# Altium PCB Virtex.PcbDoc (part 1 of 2) (continued)
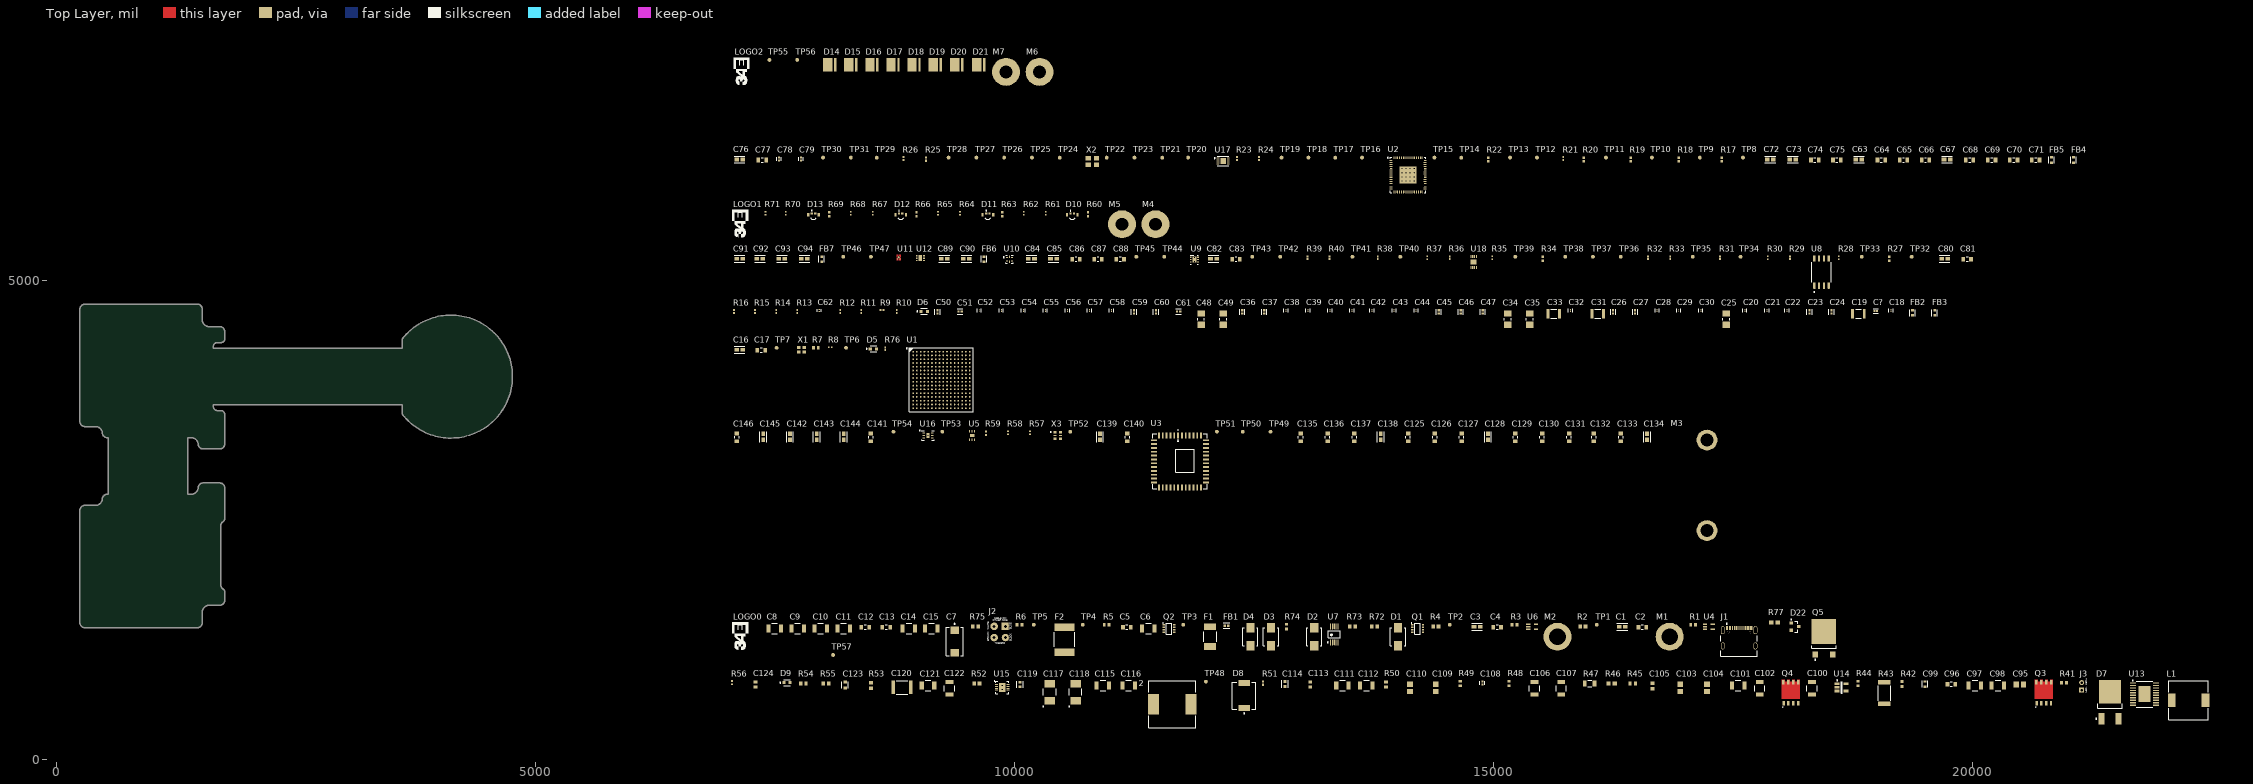
[diagram p0: Top Layer view]
## Components (designator, comment, footprint, x,y, rotation, side; value= is the part's Value field where it differs from the comment) (continued)
R12 "4.7k" RESC1005X40X25LL05T05 8180,4680 r90 top
R13 "4.7k" RESC1005X40X25LL05T05 7730,4680 r90 top
R14 "4.7k" RESC1005X40X25LL05T05 7510,4680 r90 top
R15 "4.7k" RESC1005X40X25LL05T05 7290,4680 r90 top
R16 "4.7k" RESC1005X40X25LL05T05 7070,4680 r90 top
R17 "100" RESC1005X40X25ML05T10 17380,6265 r90 top
R18 "100" RESC1005X40X25ML05T10 16930,6265 r90 top
R19 "100" RESC1005X40X25ML05T10 16430,6265 r90 top
R20 "100" RESC1005X40X25ML05T10 15940,6265 r90 top
R21 "10k" RESC1005X40X25LL05T05 15725,6275 r90 top
R22 "12k 1%" RESC1005X40X25ML05T05 14940,6265 r90 top
R23 "10k" RESC1005X40X25LL05T05 12320,6275 r90 top
R24 "10k" RESC1005X40X25LL05T05 12550,6275 r90 top
R25 "2.2k 1%" RESC1005X40X25NL05T10 9075,6270 r90 top
R26 "10k 1%" RESC1005X40X25LL05T05 8840,6275 r90 top
R27 "4.7k" RESC1005X40X25ML05T05 19125,5230 r90 top
R28 "1.8k" RESC1005X40X25LL05T05 18600,5240 r90 top
R29 "100" RESC0603X26X15ML03T05 18090,5240 r90 top
R30 "1.8k" RESC1005X40X25LL05T05 17860,5240 r90 top
R31 "100" RESC0603X26X15ML03T05 17360,5240 r90 top
R32 "100" RESC0603X26X15ML03T05 16610,5240 r90 top
R33 "100" RESC0603X26X15ML03T05 16840,5240 r90 top
R34 "4.7k" RESC1005X40X25ML05T05 15510,5230 r90 top
R35 "1.8k" RESC1005X40X25LL05T05 14985,5240 r90 top
R36 "100" RESC0603X26X15ML03T05 14540,5240 r90 top
R37 "1.8k" RESC1005X40X25LL05T05 14305,5240 r90 top
R38 "100" RESC0603X26X15ML03T05 13790,5240 r90 top
R39 "100" RESC0603X26X15ML03T05 13055,5240 r90 top
R40 "100" RESC0603X26X15ML03T05 13285,5240 r90 top
R41 "39k 1%" RESC1608X55X30NL15T15#1 20950,806.22 r0 top
R42 "10k 1%" RESC1609X55X30LL15T15 19260,791.22 r90 top
R43 "0.04 1% 2W" FP-CSRN2512-IPC_C 19075,696.22 r90 top
R44 "8.25k 1%" RESC1608X55X30LL15T15 18800,796.22 r90 top
R45 "30k 1%" RESC1608X55X30ML15T15#1 16450,796.22 r0 top
R46 "120k 1%" RESC1609X55X30ML15T15 16230,796.22 r0 top
R47 "0.1 1% 0.5W" FP-CSR1206-IPC_C 16000,796.22 r0 top
R48 "11k 1%" RESC1608X55X30LL15T15 15160,796.22 r90 top
R49 "11k 1%" RESC1608X55X30LL15T15 14650,796.22 r90 top
R50 "499 1%" RESC1608X55X30NL15T15#1 13875,786.22 r90 top
R51 "5.1k" RESC1005X40X25NL05T10 12590,801.22 r90 top
R52 "110" RESC1608X55X30ML20T20 9605,796.22 r0 top
R53 "4.7k 1%" RESC1608X55X30NL15T15#2 8500,776.22 r90 top
R54 "4.3k 1%" RESC1609X50X30ML10T20 7795,796.22 r0 top
R55 "1.05k 1%" RESC1608X55X30ML15T15#1 8030,796.22 r0 top
R56 "220" RESC1005X40X25LL05T05 7050,806.22 r90 top
R57 "40.2k" RESC1005X40X25LL05T05 10160,3415 r90 top
R58 "100 1%" RESC1005X40X25LL05T05 9930,3415 r90 top
R59 "47k 1%" RESC1005X40X25NL05T05 9700,3410 r90 top
R60 "68" RESC1005X40X25ML05T05 10765,5695 r90 top
R61 "15" RESC1005X40X25LL05T05 10325,5705 r90 top
R62 "15" RESC1005X40X25LL05T05 10095,5705 r90 top
R63 "68" RESC1005X40X25ML05T05 9870,5695 r90 top
R64 "15" RESC1005X40X25LL05T05 9430,5705 r90 top
R65 "15" RESC1005X40X25LL05T05 9200,5705 r90 top
R66 "68" RESC1005X40X25ML05T05 8975,5695 r90 top
R67 "15" RESC1005X40X25LL05T05 8520,5705 r90 top
R68 "15" RESC1005X40X25LL05T05 8290,5705 r90 top
R69 "68" RESC1005X40X25ML05T05 8065,5695 r90 top
R70 "15" RESC1005X40X25LL05T05 7610,5705 r90 top
R71 "15" RESC1005X40X25LL05T05 7400,5705 r90 top
R72 "48.7k" RESC1608X55X30ML15T15#1 13755,1390 r0 top
R73 "21.5k" RESC1608X55X30ML15T15#1 13525,1390 r0 top
R74 "140k" RESC1608X55X30LL15T15 12835,1390 r90 top
R75 "14k" RESC1608X55X30ML15T15#1 9590,1390 r0 top
R76 "1k" RESC0603X26X15ML03T05 8650,4290 r90 top
R77 "47k" RESC1608X55X30ML15T15#2 17930,1435 r0 top
TP1 "RDA" TestPoint1mm 16075,1410 r90 top
TP2 "RCL" TestPoint1mm 14540,1410 r90 top
TP3 "USB" TestPoint1mm 11760,1410 r90 top
TP4 "12ON" TestPoint1mm 10710,1410 r90 top
TP5 "12V" TestPoint1mm 10200,1410 r90 top
TP6 "LIR" TestPoint1mm 8240,4300 r90 top
TP7 "ACL" TestPoint1mm 7515,4300 r90 top
TP8 "TCK" TestPoint1mm 17600,6285 r90 top
TP9 "TDI" TestPoint1mm 17150,6285 r90 top
TP10 "TDO" TestPoint1mm 16650,6285 r90 top
TP11 "TMS" TestPoint1mm 16170,6285 r90 top
TP12 "BD0" TestPoint1mm 15450,6285 r90 top
TP13 "BD1" TestPoint1mm 15170,6285 r90 top
TP14 "BD2" TestPoint1mm 14660,6285 r90 top
TP15 "BD3" TestPoint1mm 14380,6285 r90 top
TP16 "BD4" TestPoint1mm 13625,6285 r90 top
TP17 "BD5" TestPoint1mm 13345,6285 r90 top
TP18 "BD6" TestPoint1mm 13065,6285 r90 top
TP19 "BD7" TestPoint1mm 12785,6285 r90 top
TP20 "BC0" TestPoint1mm 11810,6285 r90 top
TP21 "BC1" TestPoint1mm 11540,6285 r90 top
TP22 "UOI" TestPoint1mm 10960,6285 r90 top
TP23 "BC2" TestPoint1mm 11250,6285 r90 top
TP24 "BC3" TestPoint1mm 10470,6285 r90 top
TP25 "BC4" TestPoint1mm 10180,6285 r90 top
TP26 "BC5" TestPoint1mm 9890,6285 r90 top
TP27 "BC6" TestPoint1mm 9600,6285 r90 top
TP28 "UON" TestPoint1mm 9310,6285 r90 top
TP29 "UOO" TestPoint1mm 8560,6285 r90 top
TP30 "SUS" TestPoint1mm 8000,6285 r90 top
TP31 "PEN" TestPoint1mm 8290,6285 r90 top
TP32 "FCS" TestPoint1mm 19360,5250 r90 top
TP33 "FS3" TestPoint1mm 18840,5250 r90 top
TP34 "FS1" TestPoint1mm 17575,5250 r90 top
TP35 "FCL" TestPoint1mm 17075,5250 r90 top
TP36 "FS2" TestPoint1mm 16325,5250 r90 top
TP37 "FS0" TestPoint1mm 16035,5250 r90 top
TP38 "CCS" TestPoint1mm 15745,5250 r90 top
TP39 "CHL" TestPoint1mm 15225,5250 r90 top
TP40 "FIO" TestPoint1mm 14025,5250 r90 top
TP41 "CCL" TestPoint1mm 13525,5250 r90 top
TP42 "FWP" TestPoint1mm 12770,5250 r90 top
TP43 "COI" TestPoint1mm 12480,5250 r90 top
TP44 "1V" TestPoint1mm 11560,5250 r90 top
TP45 "1.25V" TestPoint1mm 11270,5250 r90 top
TP46 "2.5V" TestPoint1mm 8210,5250 r90 top
TP47 "1.8V" TestPoint1mm 8500,5250 r90 top
TP48 "3.3V" TestPoint1mm 11995,816.22 r90 top
TP49 "CAM_MOSI" TestPoint1mm 12670,3425 r90 top
TP50 "CAM_MISO" TestPoint1mm 12380,3425 r90 top
TP51 "CAM_SCLK" TestPoint1mm 12110,3425 r90 top
TP52 "CAM_CS" TestPoint1mm 10580,3425 r90 top
TP53 "C18" TestPoint1mm 9245,3425 r90 top
TP54 "CPX" TestPoint1mm 8735,3425 r90 top
TP55 "LED+" TestPoint1mm 7440,7305 r90 top
TP56 "LED-" TestPoint1mm 7730,7305 r90 top
TP57 "VCC" TestPoint1mm 8105,1095 r90 top
U1 "XC7A35T-1FTG256C" FTG256 9235,3965 r0 top
U2 "FT2232HQ-Tray" QFN64_2_N 14105,6105 r0 top
U3 "NOIP1FN0300A-QDI" NOIP1FN0300A-QDI 11725,3115 r0 top
U4 "MAX9940AXK+T" MAX9940AXK+T 17245,1390 r0 top
U5 "LP5900SD-1.8/NOPB" LP5900-WSON 9555,3385 r0 top
U6 "MAX9940AXK+T" MAX9940AXK+T 15400,1390 r0 top
U7 "LTC4416EMS#PBF" LT-MS-10_N 13335,1310 r90 top
U8 "MX25V1635FM2I" MX25V1635FM2I 18420,5090 r90 top
U9 "TLV75710PDRVR" TLV75710PDRVR 11875,5220 r0 top
U10 "REF3312AIRSER" FP-RSE0008A-MFG 9945,5225 r0 top
U11 "LP590725QDQNRQ1" LP5907 8790,5245 r90 top
U12 "LP5910-1.8DRVR" LP5910 9015,5235 r0 top
U13 "MAX16834AUP/V+T" MAX16834AUPV+T 21790,686.22 r0 top
U14 "LP2985AIM5-3.6/NOPB" MF05A_M 18630,756.22 r0 top
U15 "L5987TR" VFQFPN8_M 9870,756.22 r0 top
U16 "LP5900SD-3.3/NOPB" NGF0006A_V 9095,3385 r0 top
U17 "AT93C46DY6-YH-T" FP-C04-21355-Q4B-IPC_C 12175,6250 r0 top
U18 "AT93C46DY6-YH-E" AT93C46DY6-YH-E 14790,5195 r0 top
X1 "ASDMB-100.000MHZ-XY-T" ASTMHTA-100.000MHZ-AJ-E-T 7775,4280 r0 top
X2 "ABM8G-12.000MHZ-4Y-T3" ABM8G-12.000MHZ-4Y-T3 10810,6245 r0 top
X3 "DSC1103DI5-360.0000" DSC1103DI5-360.0000 10450,3385 r0 top

## Footprints (in the part's own frame and the unit in brackets; to place one, negate y for a bottom-side part, rotate by r counter-clockwise, add the part's x,y. Pads: shape width x height; smd on the part's side, far side on the other; paste and mask are expansions set on the pad)
34EngineeringLogo [mil]
  silkscreen extent 13,13 299,179
9774070960R [mm]
  round 7.4 hole 4.4 unplated: 1(0,0)
  body extent -3,-3 3,3, height 7
ABM8G-12.000MHZ-4Y-T3 [mil]
  rect 55x47 smd: 1(-43.5,-33.5) 2(43.5,-33.5) 3(43.5,33.5) 4(-43.5,33.5)
  body extent -63,-49 63,49, height 39
ASTMHTA-100.000MHZ-AJ-E-T [mm]
  rect 0.9x0.8 smd: 1(-0.75,-0.6) 2(0.75,-0.6) 3(0.75,0.6) 4(-0.75,0.6)
  body extent -1,-0.8 1,0.8, height 0.75
AT93C46DY6-YH-E [mm]
  rect 0.3x0.85 smd: 1(-0.75,-1.45) 2(-0.25,-1.45) 3(0.25,-1.45) 4(0.75,-1.45) 5(0.75,1.45) 6(0.25,1.45) 7(-0.25,1.45) 8(-0.75,1.45)
  rect 1.6x1.4 smd: 9(0,0)
  body extent -1,-1.5 1,1.5, height 0.6
BWIR-35C2O48 [mm]
  rect 2.45x3.5 smd paste+0: A(-0.525,0)
  rect 0.625x3.5 smd paste+0: C(1.438,0)
  body extent -1.75,-1.75 1.75,1.75, height 2
CAPC1608X90X35ML10T15 [mm] "Chip Capacitor, 2-Leads, Body 1.7x0.9mm, IPC Low Density"
  rect 0.95x1.05 smd: 1(-0.725,0) 2(0.725,0)
  body extent -0.85,-0.45 0.85,0.45, height 0.9
CAPC1608X90X35NL10T15 [mm] "Chip Capacitor, 2-Leads, Body 1.60x0.80mm, IPC Medium Density"
  rect 0.85x0.95 smd: 1(-0.675,0) 2(0.675,0)
  body extent -0.85,-0.45 0.85,0.45, height 0.9
CAPC2013X135X45ML10T25 [mm] "Chip Capacitor, 2-Leads, Body 2.10x1.35mm, IPC Low Density"
  rect 1.4x1.5 smd: 1(-0.95,0) 2(0.95,0)
  body extent -1.05,-0.67 1.05,0.67, height 1.35
CAPC3216X190X55ML30T25 [mm] "Chip Capacitor, 2-Leads, Body 3.5x1.9mm, IPC Low Density"
  rect 1.65x2 smd: 1(-1.475,0) 2(1.475,0)
  silkscreen extent -0.25,-0.9 0.25,0.9, body extent -1.75,-0.95 1.75,0.95, height 1.9
CAPMP6032X28-T_V [mm] "Molded Capacitor, 2-Leads, Body 6.20x3.4mm"
  rect 2x2.8 smd: 1(-2.25,0) 2(2.25,0)
  silkscreen extent -3.92,-1.7 0.85,1.82, body extent -3.32,-1.7 3.32,1.7, height 2.8
DSC1103DI5-360.0000 [mm]
  rect 0.85x0.65 smd: 1(-0.725,0.825) 3(-0.725,-0.825) 4(0.725,-0.825) 6(0.725,0.825)
  rect 0.85x0.25 smd: 2(-0.725,0) 5(0.725,0)
  silkscreen extent -1.95,0.8 -1.75,1, body extent -1,-1.25 1,1.25, height 0.88
FAIR-DO-214AA-A-2_V [mm] "Molded Diode, 2-Leads, Body 4.75x3.95mm"
  rect 2.5x2.2 smd: 1(-2.35,0) 2(2.35,0)
  silkscreen extent -2.4,-2 2.4,2, body extent -2.59,-1.97 2.6,1.98, height 2.65
FP-1812L035-30DR-MFG [mm]
  rect 1.78x3.15 smd paste+0 mask+0: 1(-2.615,0) 2(2.615,0)
  silkscreen extent -1.35,-1.71 1.35,1.71, body extent -3.6,-1.81 3.6,1.81, height 0.25
FP-2920L-MFG [mm]
  rect 2x5.3 smd paste+0 mask+0: 1(-3.3,0) 2(3.3,0)
  silkscreen extent -1.92,-2.72 1.92,2.72, body extent -4.4,-2.82 4.4,2.82, height 0.25
FP-BLM15-0_05-IPC_A [mil]
  rect 28.16x26.48 smd paste+0 mask+0: 1(-18.84,0) 2(18.84,0)
  silkscreen extent -33,-29 33,29, body extent -41,-21 41,21, height 10
FP-BLM18-0_15-t0_8-MFG [mm]
  rect 0.65x0.7 smd paste+0 mask+0: 1(-0.675,0) 2(0.675,0)
  silkscreen extent -0.87,-0.72 0.87,0.72, body extent -1.1,-0.58 1.1,0.58, height 0.25
FP-C04-21355-Q4B-IPC_C [mm]
  rect 0.761x0.239 smd paste+0 mask+0: 1(-1.376,0.75)
  rrect100% 0.761x0.239 smd paste+0 mask+0: 2(-1.376,0.25) 3(-1.376,-0.25) 4(-1.376,-0.75) 5(1.376,-0.75) 6(1.376,-0.25) 7(1.376,0.25) 8(1.376,0.75)
  rect 1.4x1.6 smd paste-1000 mask+0: 9(0,0)
  silkscreen extent -2.37,-1.3 1.5,1.3, body extent -1.86,-1.1 1.86,1.1, height 0.25
FP-C0402-BB-MFG [mm]
  rect 0.52x0.52 smd paste+0 mask+0: 1(-0.4,0) 2(0.4,0)
  silkscreen extent -0.5,-0.64 0.5,0.64, body extent -0.8,-0.4 0.8,0.4, height 0.25
FP-C0603C-CF-MFG [mm]
  rect 0.75x0.9 smd paste+0 mask+0: 1(-0.6,0) 2(0.6,0)
  silkscreen extent -0.87,-0.85 0.88,0.85, body extent -1.2,-0.6 1.2,0.6, height 0.25
FP-C3225-250-0_4-MFG [mm]
  rect 1.1x2.2 smd paste+0 mask+0: 1(-1.65,0) 2(1.65,0)
  silkscreen extent -0.72,-1.4 0.72,1.4, body extent -2.3,-1.5 2.3,1.5, height 0.25
FP-C4532-250-0_4-IPC_B [mm]
  rect 0.953x3.603 smd paste+0 mask+0: 1(-2.325,0) 2(2.325,0)
  silkscreen extent -1.55,-1.8 1.55,1.8, body extent -3.05,-2.05 3.05,2.05, height 0.25
FP-CC0201-BA-MFG [mm]
  rect 0.28x0.3 smd paste+0 mask+0: 1(-0.265,0) 2(0.265,0)
  silkscreen extent -0.32,-0.53 0.32,0.53, body extent -0.51,-0.27 0.51,0.27, height 0.25
FP-CC0603-DA-MFG [mm]
  rect 0.8x0.9 smd paste+0 mask+0: 1(-0.75,0) 2(0.75,0)
  silkscreen extent -0.85,-0.85 0.85,0.85, body extent -1.35,-0.75 1.35,0.75, height 0.25
FP-CGA3E-0_3-0_1-IPC_A [mm]
  rect 0.956x1.206 smd paste+0 mask+0: 1(-1.025,0) 2(1.025,0)
  silkscreen extent -0.25,-0.6 0.25,0.6, body extent -2,-1.1 2,1.1, height 0.25
FP-CSR1206-IPC_C [mil]
  rect 37.63x63.32 smd paste+0 mask+0: 1(-50.25,0) 2(50.25,0)
  silkscreen extent -20,-33 20,33, body extent -73,-37 73,37, height 10
FP-CSRN2512-IPC_C [mil]
  rect 45.46x126.31 smd paste+0 mask+0: 1(-112.24,0) 2(112.24,0)
  silkscreen extent -78,-65 78,65, body extent -139,-69 139,69, height 10
FP-GCM188-0_1-MFG [mm]
  rect 0.65x0.7 smd paste+0 mask+0: 1(-0.675,0) 2(0.675,0)
  silkscreen extent -0.85,-0.75 0.85,0.75, body extent -1.1,-0.55 1.1,0.55, height 0.25
FP-GRM32-MFG [mm]
  rect 1.1x2.05 smd paste+0 mask+0: 1(-1.65,0) 2(1.65,0)
  silkscreen extent -0.72,-1.35 0.72,1.35, body extent -2.3,-1.45 2.3,1.45, height 0.25
FP-GRM033-0_03-IPC_A [mil]
  rect 21.82x18.22 smd paste+0 mask+0: 1(-13.95,0) 2(13.95,0)
  silkscreen extent -25,-25 25,25, body extent -33,-17 33,17, height 10
FP-GRM033-0_03-IPC_C [mil]
  rect 13.94x10.34 smd paste+0 mask+0: 1(-10.01,0) 2(10.01,0)
  silkscreen extent -17,-22 17,22, body extent -21,-10 21,10, height 10
FP-GRM155-0_1-IPC_B [mil]
  rect 24.23x22.54 smd paste+0 mask+0: 1(-16.87,0) 2(16.87,0)
  silkscreen extent -29,-27 29,27, body extent -35,-17 35,17, height 10
FP-GRM188-0_1-e0_2_0_5-IPC_C [mil]
  rect 29.87x31.97 smd paste+0 mask+0: 1(-24.67,0) 2(24.67,0)
  silkscreen extent -40,-33 40,33, body extent -44,-22 44,22, height 10
FP-GRM188-0_1-e0_2_0_55-IPC_A [mil]
  rect 47.57x39.85 smd paste+0 mask+0: 1(-31.57,0) 2(31.57,0)
  silkscreen extent -55,-36 55,36, body extent -75,-40 75,40, height 10
FP-RSE0008A-MFG [mm]
  rrect40% 0.55x0.25 smd paste+0 mask+0: 1(-0.675,0.5) 3(-0.675,-0.5) 5(0.675,-0.5) 7(0.675,0.5)
  rrect50% 0.55x0.2 smd paste+0 mask+0: 2(-0.675,0) 6(0.675,0)
  rrect33% 0.3x0.6 smd paste+0 mask+0: 4(0,-0.65) 8(0,0.65)
  silkscreen extent -1.62,-1.02 1.02,1.02, body extent -1.05,-1.05 1.05,1.05, height 0.25
FP-SML-D12-MFG [mm]
  rect 0.8x0.8 smd paste+0 mask+0: 1(-0.825,0) 2(0.825,0)
  silkscreen extent -1.92,-0.79 0.85,0.77, body extent -1.33,-0.55 1.33,0.55, height 0.25
FP-STPS5L60S-MFG [mm]
  rect 1.54x3.14 smd paste+0 mask+0: 1(-3.325,0) 2(3.325,0)
  silkscreen extent -4.82,-3.13 3.57,3.13, body extent -4.2,-3.22 4.2,3.22, height 0.25
FP-T491X107K025AT-MFG [mm]
  rect 1.99x2.33 smd paste+0 mask+0: 1(-3.01,0) 2(3.01,0)
  silkscreen extent -3.8,-2.3 4.92,2.3, body extent -4.11,-2.4 4.11,2.4, height 0.25
FP-USB4105-GF-A-MFG [mm]
  rrect100% 1x2.1 hole 1.7 slot 0.6 at 0 deg paste-1000 mask+0: 1(-4.32,3.015) 2(4.32,3.015)
  rrect100% 1x1.8 hole 1.4 slot 0.6 at 0 deg paste-1000 mask+0: 3(-4.32,-1.165) 4(4.32,-1.165)
  rect 0.6x1.15 smd paste+0 mask+0: A1-B12(-3.2,3.59) A4-B9(-2.4,3.59) B1-A12(3.2,3.59) B4-A9(2.4,3.59)
  rect 0.3x1.15 smd paste+0 mask+0: A5(-1.25,3.59) A6(-0.25,3.59) A7(0.25,3.59) A8(1.25,3.59) B5(1.75,3.59) B6(0.75,3.59) B7(-0.75,3.59) B8(-1.75,3.59)
  round 0.65 hole 0.65 unplated paste-1000 mask+0: ""(-2.89,2.515) ""(2.89,2.515)
  silkscreen extent -4.86,-3.84 4.86,4.84, body extent -4.96,-3.94 4.96,4.27, height 0.25
FTG256 [mm] "BGA, 256-Balls, Body 17x17mm, Pitch 1mm"
  round 0.45 smd: A1(-7.5,7.5) A2(-6.5,7.5) A3(-5.5,7.5) A4(-4.5,7.5) A5(-3.5,7.5) A6(-2.5,7.5) A7(-1.5,7.5) A8(-0.5,7.5) A9(0.5,7.5) A10(1.5,7.5) A11(2.5,7.5) A12(3.5,7.5) A13(4.5,7.5) A14(5.5,7.5) A15(6.5,7.5) A16(7.5,7.5) B1(-7.5,6.5) B2(-6.5,6.5) B3(-5.5,6.5) B4(-4.5,6.5) B5(-3.5,6.5) B6(-2.5,6.5) B7(-1.5,6.5) B8(-0.5,6.5) B9(0.5,6.5) B10(1.5,6.5) B11(2.5,6.5) B12(3.5,6.5) B13(4.5,6.5) B14(5.5,6.5) B15(6.5,6.5) B16(7.5,6.5) C1(-7.5,5.5) C2(-6.5,5.5) C3(-5.5,5.5) C4(-4.5,5.5) C5(-3.5,5.5) C6(-2.5,5.5) C7(-1.5,5.5) C8(-0.5,5.5) C9(0.5,5.5) C10(1.5,5.5) C11(2.5,5.5) C12(3.5,5.5) C13(4.5,5.5) C14(5.5,5.5) C15(6.5,5.5) C16(7.5,5.5) D1(-7.5,4.5) D2(-6.5,4.5) D3(-5.5,4.5) D4(-4.5,4.5) D5(-3.5,4.5) D6(-2.5,4.5) D7(-1.5,4.5) D8(-0.5,4.5) D9(0.5,4.5) D10(1.5,4.5) D11(2.5,4.5) D12(3.5,4.5) D13(4.5,4.5) D14(5.5,4.5) D15(6.5,4.5) D16(7.5,4.5) E1(-7.5,3.5) E2(-6.5,3.5) E3(-5.5,3.5) E4(-4.5,3.5) E5(-3.5,3.5) E6(-2.5,3.5) E7(-1.5,3.5) E8(-0.5,3.5) E9(0.5,3.5) E10(1.5,3.5) E11(2.5,3.5) E12(3.5,3.5) E13(4.5,3.5) E14(5.5,3.5) E15(6.5,3.5) E16(7.5,3.5) F1(-7.5,2.5) F2(-6.5,2.5) F3(-5.5,2.5) F4(-4.5,2.5) F5(-3.5,2.5) F6(-2.5,2.5) F7(-1.5,2.5) F8(-0.5,2.5) F9(0.5,2.5) F10(1.5,2.5) F11(2.5,2.5) F12(3.5,2.5) F13(4.5,2.5) F14(5.5,2.5) F15(6.5,2.5) F16(7.5,2.5) G1(-7.5,1.5) G2(-6.5,1.5) G3(-5.5,1.5) G4(-4.5,1.5) G5(-3.5,1.5) G6(-2.5,1.5) G7(-1.5,1.5) G8(-0.5,1.5) G9(0.5,1.5) G10(1.5,1.5) G11(2.5,1.5) G12(3.5,1.5) G13(4.5,1.5) G14(5.5,1.5) G15(6.5,1.5) G16(7.5,1.5) H1(-7.5,0.5) H2(-6.5,0.5) H3(-5.5,0.5) H4(-4.5,0.5) H5(-3.5,0.5) H6(-2.5,0.5) H7(-1.5,0.5) H8(-0.5,0.5) H9(0.5,0.5) H10(1.5,0.5) H11(2.5,0.5) H12(3.5,0.5) H13(4.5,0.5) H14(5.5,0.5) H15(6.5,0.5) H16(7.5,0.5) J1(-7.5,-0.5) J2(-6.5,-0.5) J3(-5.5,-0.5) J4(-4.5,-0.5) J5(-3.5,-0.5) J6(-2.5,-0.5) J7(-1.5,-0.5) J8(-0.5,-0.5) J9(0.5,-0.5) J10(1.5,-0.5) J11(2.5,-0.5) J12(3.5,-0.5) J13(4.5,-0.5) J14(5.5,-0.5) J15(6.5,-0.5) J16(7.5,-0.5) K1(-7.5,-1.5) K2(-6.5,-1.5) K3(-5.5,-1.5) K4(-4.5,-1.5) K5(-3.5,-1.5) K6(-2.5,-1.5) K7(-1.5,-1.5) K8(-0.5,-1.5) K9(0.5,-1.5) K10(1.5,-1.5) K11(2.5,-1.5) K12(3.5,-1.5) K13(4.5,-1.5) K14(5.5,-1.5) K15(6.5,-1.5) K16(7.5,-1.5) L1(-7.5,-2.5) L2(-6.5,-2.5) L3(-5.5,-2.5) L4(-4.5,-2.5) L5(-3.5,-2.5) L6(-2.5,-2.5) L7(-1.5,-2.5) L8(-0.5,-2.5) L9(0.5,-2.5) L10(1.5,-2.5) L11(2.5,-2.5) L12(3.5,-2.5) L13(4.5,-2.5) L14(5.5,-2.5) L15(6.5,-2.5) L16(7.5,-2.5) M1(-7.5,-3.5) M2(-6.5,-3.5) M3(-5.5,-3.5) M4(-4.5,-3.5) M5(-3.5,-3.5) M6(-2.5,-3.5) M7(-1.5,-3.5) M8(-0.5,-3.5) M9(0.5,-3.5) M10(1.5,-3.5) M11(2.5,-3.5) M12(3.5,-3.5) M13(4.5,-3.5) M14(5.5,-3.5) M15(6.5,-3.5) M16(7.5,-3.5) N1(-7.5,-4.5) N2(-6.5,-4.5) N3(-5.5,-4.5) N4(-4.5,-4.5) N5(-3.5,-4.5) N6(-2.5,-4.5) N7(-1.5,-4.5) N8(-0.5,-4.5) N9(0.5,-4.5) N10(1.5,-4.5) N11(2.5,-4.5) N12(3.5,-4.5) N13(4.5,-4.5) N14(5.5,-4.5) N15(6.5,-4.5) N16(7.5,-4.5) P1(-7.5,-5.5) P2(-6.5,-5.5) P3(-5.5,-5.5) P4(-4.5,-5.5) P5(-3.5,-5.5) P6(-2.5,-5.5) P7(-1.5,-5.5) P8(-0.5,-5.5) P9(0.5,-5.5) P10(1.5,-5.5) P11(2.5,-5.5) P12(3.5,-5.5) P13(4.5,-5.5) P14(5.5,-5.5) P15(6.5,-5.5) P16(7.5,-5.5) R1(-7.5,-6.5) R2(-6.5,-6.5) R3(-5.5,-6.5) R4(-4.5,-6.5) R5(-3.5,-6.5) R6(-2.5,-6.5) R7(-1.5,-6.5) R8(-0.5,-6.5) R9(0.5,-6.5) R10(1.5,-6.5) R11(2.5,-6.5) R12(3.5,-6.5) R13(4.5,-6.5) R14(5.5,-6.5) R15(6.5,-6.5) R16(7.5,-6.5) T1(-7.5,-7.5) T2(-6.5,-7.5) T3(-5.5,-7.5) T4(-4.5,-7.5) T5(-3.5,-7.5) T6(-2.5,-7.5) T7(-1.5,-7.5) T8(-0.5,-7.5) T9(0.5,-7.5) T10(1.5,-7.5) T11(2.5,-7.5) T12(3.5,-7.5) T13(4.5,-7.5) T14(5.5,-7.5) T15(6.5,-7.5) T16(7.5,-7.5)
  silkscreen extent -9.27,-8.5 8.5,8.5, body extent -8.5,-8.5 8.5,8.5, height 1.55
IN-S126TASRGB [mm]
  rect 0.6x0.55 smd: 1(-0.45,0.325) 2(0.45,0.325)
  rect 0.6x0.9 smd: 3(-1.4,0) 4(1.4,0)
  silkscreen extent -0.78,-1.25 0.78,1.15, body extent -1.6,-1.24 1.6,0.25, height 1
INF-PG-TDSON-8-1_V [mm] "TDSON, 8-Leads, Body 6.15x5.15mm, Pitch 1.27mm"
  rect 0.65x1.2 smd: 1(-1.905,-2.825) 2(-0.635,-2.825) 3(0.635,-2.825) 4(1.905,-2.825) 5(2.007,2.794) 6(0.66,2.794) 7(-0.66,2.794) 8(-2.007,2.794)
  Top Layer region: 0.315,2.925 1.015,2.925 1.015,3.425 0.315,3.425
  Top Layer region: -1.015,2.925 -0.315,2.925 -0.315,3.425 -1.015,3.425
  Top Layer region: 1.65,2.925 2.35,2.925 2.35,3.425 1.65,3.425
  Top Layer region: -2.35,2.925 -1.65,2.925 -1.65,3.425 -2.35,3.425
  Top Layer region: -2.35,2.925 -2.35,-1.575 2.35,-1.575 2.35,2.925
  silkscreen extent -2.23,-3.94 -2.03,-3.74, body extent -2.58,-3.08 2.58,3.08, height 1
"Lapp 7038890" [mm]
  round 2 hole 0.8: 1(1.5,-1.5) 2(-1.5,1.5) 3(-1.5,-1.5)
  rect 2x2 hole 0.8: 4(1.5,1.5)
LEDDriverOutput [mm]
  round 1.3 hole 0.65: 1(0,0)
  rect 1.3x1.3 hole 0.65: 2(0,-2)
LENS_MNT [mm]
  round 5.5 hole 3.4: 1(0,-12) 1(0,12)
  body extent -9.84,-14.4 10.16,14.6, height 21.99
LP5900-WSON [mm]
  rrect0% 0.25x0.6 smd: 1(-0.65,1.15) 3(0.65,1.15) 4(0.65,-1.15) 6(-0.65,-1.15) ""(0,-1.15) ""(0,1.15)
  rrect0% 1.2x0.75 smd: 7(0,0)
  body extent -1.09,-1.25 1.11,1.25, height 0.8
LP5907 [mil]
  rect 5x5 smd: 1(-16.93,12.8) 2(-16.93,-12.8) 3(16.93,-12.8) 4(16.93,12.8)
  rect 19x19 smd rot 45 paste-9.5 mask+0: 5(0,0)
  Top Layer region: -4.93,-17.8 -4.93,-18.8 -28.93,-18.8 -28.93,-6.8 -16.93,-6.8
  Top Layer region: 0,9.5 0,9.5 0,9.5 0,9.5 0,9.5 0,9.5 0,9.5 0,9.5
  Top Layer region: 0,-9.5 0,-9.5 0,-9.5 0,-9.5 0,-9.5 0,-9.5 0,-9.5 0,-9.5
  Top Layer region: 4.93,-17.8 4.93,-18.8 28.93,-18.8 28.93,-6.8 16.93,-6.8
  Top Layer region: 4.93,17.8 4.93,18.8 28.93,18.8 28.93,6.8 16.93,6.8
  Top Layer region: -4.93,17.8 -4.93,18.8 -28.93,18.8 -28.93,6.8 -16.93,6.8
  body extent -20,-20 20,20, height 14
LP5910 [mm]
  rect 0.45x0.3 smd: 1(-0.975,0.65) 2(-0.975,0) 3(-0.975,-0.65) 4(0.975,-0.65) 5(0.975,0) 6(0.975,0.65)
  rect 1x1.6 smd: 7(0,0)
  body extent -1,-1 1,1, height 0.8
LT-MS-10_N [mm] "SOP, 10-Leads, Body 3.1x3.1mm, Pitch 0.5mm, IPC Medium Density"
  oval 1.6x0.3 smd: 1(-2.125,1) 2(-2.125,0.5) 3(-2.125,0) 4(-2.125,-0.5) 5(-2.125,-1) 6(2.125,-1) 7(2.125,-0.5) 8(2.125,0) 9(2.125,0.5) 10(2.125,1)
  silkscreen extent -2.25,-1.55 0.92,1.82, body extent -1.55,-1.55 1.55,1.55, height 1.1
MAX9940AXK+T [mm]
  rect 1.15x0.35 smd paste+0 mask+0: 1(-1.025,0.65) 2(-1.025,0) 3(-1.025,-0.65) 4(1.025,-0.65) 5(1.025,0.65)
  body extent -1.19,-1.1 1.19,1.11, height 1.09
MAX16834AUPV+T [mil]
  rect 61.5x14 smd paste+0 mask+0: 1(-119.25,115.16) 2(-119.25,89.57) 3(-119.25,63.98) 4(-119.25,38.39) 5(-119.25,12.8) 6(-119.25,-12.8) 7(-119.25,-38.39) 8(-119.25,-63.98) 9(-119.25,-89.57) 10(-119.25,-115.16) 11(119.25,-115.16) 12(119.25,-89.57) 13(119.25,-63.98) 14(119.25,-38.39) 15(119.25,-12.8) 16(119.25,12.8) 17(119.25,38.39) 18(119.25,63.98) 19(119.25,89.57) 20(119.25,115.16)
  rect 122x165 smd paste-82 mask+0: 21(0,0)
  silkscreen extent -125,-135 86,146, body extent -128,-130 128,130, height 43
MF05A_M [mm] "SOT23, 5-Leads, Body 2.9x1.6mm, Pitch 0.95mm, Lead Span 2.8mm, IPC Low Density"
  rect 1.3x0.7 smd: 1(-1.2,0.95) 2(-1.2,0) 3(-1.2,-0.95) 4(1.2,-0.95) 5(1.2,0.95)
  silkscreen extent -1.32,-1.5 0.15,1.97, body extent -0.83,-1.49 0.83,1.5, height 1.19
"MNT M3" [mm]
  round 7.4 hole 3.4 unplated: 1(0,0)
MURA-1210_H_2.7_L [mm] "Chip Capacitor, 2-Leads, Body 3.5x2.7mm, IPC High Density"
  rect 0.75x2.6 smd: 1(-1.525,0) 2(1.525,0)
  silkscreen extent -0.75,-1.2 0.75,1.2, body extent -1.75,-1.35 1.75,1.35, height 2.7
MX25V1635FM2I [mm]
  rrect25% 1.65x0.58 smd: 1(-3.585,1.905) 2(-3.585,0.635) 3(-3.585,-0.635) 4(-3.585,-1.905) 5(3.585,-1.905) 6(3.585,-0.635) 7(3.585,0.635) 8(3.585,1.905)
  silkscreen extent -5.33,-2.62 2.65,2.62, body extent -3.9,-2.64 3.95,2.64, height 1.95
NGF0006A_V [mm] "SON, 6-Leads, Body 2.2x2.5mm, Pitch 0.65mm, NSC Recommended (SC-70 Land)"
  rrect40% 0.6x0.25 smd paste-0.125 mask+0.051: 1(-1.15,0.65) 2(-1.15,0) 3(-1.15,-0.65) 4(1.15,-0.65) 5(1.15,0) 6(1.15,0.65)
  rrect13% 0.75x1.2 smd paste-0.6 mask+0.051: 7(0,0)
  silkscreen extent -2.27,-1.3 1.6,1.45, body extent -1.3,-1.15 1.3,1.15, height 0.8
NOIP1FN0300A-QDI [mm]
  rrect12% 0.47x1.63 smd: 1(-0.508,6.905) 2(-1.524,6.905) 3(-2.54,6.905) 4(-3.556,6.905) 5(-4.572,6.905) 6(-5.588,6.905) 19(-5.588,-6.905) 20(-4.572,-6.905) 21(-3.556,-6.905) 22(-2.54,-6.905) 23(-1.524,-6.905) 24(-0.508,-6.905) 25(0.508,-6.905) 26(1.524,-6.905) 27(2.54,-6.905) 28(3.556,-6.905) 29(4.572,-6.905) 30(5.588,-6.905) 43(5.588,6.905) 44(4.572,6.905) 45(3.556,6.905) 46(2.54,6.905) 47(1.524,6.905) 48(0.508,6.905)
  rrect12% 1.63x0.47 smd: 7(-6.905,5.588) 8(-6.905,4.572) 9(-6.905,3.556) 10(-6.905,2.54) 11(-6.905,1.524) 12(-6.905,0.508) 13(-6.905,-0.508) 14(-6.905,-1.524) 15(-6.905,-2.54) 16(-6.905,-3.556) 17(-6.905,-4.572) 18(-6.905,-5.588) 31(6.905,-5.588) 32(6.905,-4.572) 33(6.905,-3.556) 34(6.905,-2.54) 35(6.905,-1.524) 36(6.905,-0.508) 37(6.905,0.508) 38(6.905,1.524) 39(6.905,2.54) 40(6.905,3.556) 41(6.905,4.572) 42(6.905,5.588)
  silkscreen extent -7.26,-7.26 7.26,8.41, body extent -7.11,-7.11 7.11,7.11, height 2.32
ONSC-ATPAK-3-369AM_V [mm] "DPAK, 3-Leads, Body 7.3x6.5mm, Pitch 2.3mm"
  rect 1.6x1.5 smd: 1(-6.15,2.3) 3(-6.15,-2.3)
  rect 6.7x6.5 smd: 4(0,0)
  silkscreen extent -7.62,-3.25 -3.75,3.25, body extent -4.45,-3.25 2.85,3.25, height 1.77
ONSC-DPAK-3-369C-01_V [mm] "DPAK, 3-Leads, Body 6.54x6.095mm, Pitch 2.29mm"
  rect 3x1.6 smd: 1(-4.4,2.29) 3(-4.4,-2.29)
  rect 6.2x5.8 smd: 4(2.8,0)
  silkscreen extent -4.52,-3.27 -0.45,3.76, body extent -1.6,-3.27 4.49,3.27, height 2.38
ONSC-ECH-8_V [mm] "SOT23, 8-Leads, Body 2.9x2.3mm, Pitch 0.65mm"
  rect 0.6x0.4 smd: 1(-1.4,0.975) 2(-1.4,0.325) 3(-1.4,-0.325) 4(-1.4,-0.975) 5(1.4,-0.975) 6(1.4,-0.325) 7(1.4,0.325) 8(1.4,0.975)
  silkscreen extent -1.63,-1.45 0.7,1.53, body extent -1.15,-1.45 1.15,1.45, height 0.95
ONSC-SOT-23-3-318-08_V [mm] "SOT23, 3-Leads, Body 2.92x1.3mm, Pitch 0.95mm"
  rect 0.9x0.8 smd: 1(-1,0.95) 2(-1,-0.95) 3(1,0)
  silkscreen extent -1.12,-1.46 0.65,2.02, body extent -0.65,-1.46 0.65,1.46, height 1.11
QFN64_2_N [mm] "QFN, 64-Leads, Body 9x9mm, Pitch 0.5mm, Thermal Pad 4.5x4.5mm, IPC Medium Density"
  oval 0.75x0.25 smd: 1(-4.525,3.75) 2(-4.525,3.25) 3(-4.525,2.75) 4(-4.525,2.25) 5(-4.525,1.75) 6(-4.525,1.25) 7(-4.525,0.75) 8(-4.525,0.25) 9(-4.525,-0.25) 10(-4.525,-0.75) 11(-4.525,-1.25) 12(-4.525,-1.75) 13(-4.525,-2.25) 14(-4.525,-2.75) 15(-4.525,-3.25) 16(-4.525,-3.75) 33(4.525,-3.75) 34(4.525,-3.25) 35(4.525,-2.75) 36(4.525,-2.25) 37(4.525,-1.75) 38(4.525,-1.25) 39(4.525,-0.75) 40(4.525,-0.25) 41(4.525,0.25) 42(4.525,0.75) 43(4.525,1.25) 44(4.525,1.75) 45(4.525,2.25) 46(4.525,2.75) 47(4.525,3.25) 48(4.525,3.75)
  oval 0.25x0.75 smd: 17(-3.75,-4.525) 18(-3.25,-4.525) 19(-2.75,-4.525) 20(-2.25,-4.525) 21(-1.75,-4.525) 22(-1.25,-4.525) 23(-0.75,-4.525) 24(-0.25,-4.525) 25(0.25,-4.525) 26(0.75,-4.525) 27(1.25,-4.525) 28(1.75,-4.525) 29(2.25,-4.525) 30(2.75,-4.525) 31(3.25,-4.525) 32(3.75,-4.525) 49(3.75,4.525) 50(3.25,4.525) 51(2.75,4.525) 52(2.25,4.525) 53(1.75,4.525) 54(1.25,4.525) 55(0.75,4.525) 56(0.25,4.525) 57(-0.25,4.525) 58(-0.75,4.525) 59(-1.25,4.525) 60(-1.75,4.525) 61(-2.25,4.525) 62(-2.75,4.525) 63(-3.25,4.525) 64(-3.75,4.525)
  rect 4.5x4.5 smd: 65(0,0)
  silkscreen extent -5.46,-4.69 4.69,4.69, body extent -4.54,-4.54 4.54,4.54, height 1
RESC0603X26X15ML03T05 [mm] "Chip Resistor, 2-Leads, Body 0.60x0.30mm, IPC Low Density"
  rect 0.55x0.45 smd: 1(-0.375,0) 2(0.375,0)
  body extent -0.32,-0.16 0.32,0.17, height 0.26
RESC1005X40X25LL05T05 [mm] "Chip Resistor, 2-Leads, Body 1.05x0.55mm, IPC High Density"
  rect 0.45x0.45 smd: 1(-0.4,0) 2(0.4,0)
  body extent -0.53,-0.28 0.53,0.28, height 0.4
RESC1005X40X25ML05T05 [mm] "Chip Resistor, 2-Leads, Body 1.05x0.55mm, IPC Low Density"
  rect 0.65x0.65 smd: 1(-0.5,0) 2(0.5,0)
  body extent -0.53,-0.28 0.53,0.28, height 0.4
RESC1005X40X25ML05T10 [mm] "Chip Resistor, 2-Leads, Body 1.00x0.50mm, IPC Low Density"
  rect 0.7x0.65 smd: 1(-0.475,0) 2(0.475,0)
  body extent -0.53,-0.27 0.53,0.28, height 0.4
RESC1005X40X25NL05T05 [mm] "Chip Resistor, 2-Leads, Body 1.00x0.50mm, IPC Medium Density"
  rect 0.55x0.55 smd: 1(-0.45,0) 2(0.45,0)
  body extent -0.53,-0.27 0.53,0.28, height 0.4
RESC1005X40X25NL05T10 [mm] "Chip Resistor, 2-Leads, Body 1.00x0.50mm, IPC Medium Density"
  rect 0.6x0.55 smd: 1(-0.425,0) 2(0.425,0)
  body extent -0.53,-0.27 0.53,0.28, height 0.4
RESC1608X55X30LL15T15 [mm] "Chip Resistor, 2-Leads, Body 1.60x0.80mm, IPC High Density"
  rect 0.7x0.85 smd: 1(-0.625,0) 2(0.625,0)
  body extent -0.87,-0.48 0.87,0.48, height 0.55
RESC1608X55X30ML15T15#1 [mm] "Chip Resistor, 2-Leads, Body 1.60x0.80mm, IPC Low Density"
  rect 0.9x1.05 smd: 1(-0.725,0) 2(0.725,0)
  body extent -0.87,-0.48 0.87,0.48, height 0.55
RESC1608X55X30ML15T15#2 [mm] "Chip Resistor, 2-Leads, Body 1.75x0.95mm, IPC Low Density"
  rect 1.15x1.05 smd: 1(-0.85,0) 2(0.85,0)
  body extent -0.87,-0.48 0.87,0.48, height 0.55
RESC1608X55X30ML20T20 [mm] "Chip Resistor, 2-Leads, Body 1.60x0.80mm, IPC Low Density"
  rect 1x1.1 smd: 1(-0.7,0) 2(0.7,0)
  body extent -0.9,-0.5 0.9,0.5, height 0.55
RESC1608X55X30NL15T15#1 [mm] "Chip Resistor, 2-Leads, Body 1.60x0.80mm, IPC Medium Density"
  rect 0.8x0.95 smd: 1(-0.675,0) 2(0.675,0)
  body extent -0.87,-0.48 0.87,0.48, height 0.55
RESC1608X55X30NL15T15#2 [mm] "Chip Resistor, 2-Leads, Body 1.75x0.95mm, IPC Medium Density"
  rect 0.95x0.95 smd: 1(-0.75,0) 2(0.75,0)
  body extent -0.87,-0.48 0.87,0.48, height 0.55